# Altium PCB openmv-ae3.PcbDoc (part 7 of 7)
Units mil, origin at the board's own origin, x right, y up, seen from the top; angles counter-clockwise.
Board outline 1001 x 1001 mil, 8 copper layers (TOP, ART2, GND3, ART4, VCC5, GND6, ART7, BOTTOM), stack 65.6 mil thick; 246 components, 168 nets, 1013 pads, 1766 vias.
Unrouted connection lines stored in the file: 233.
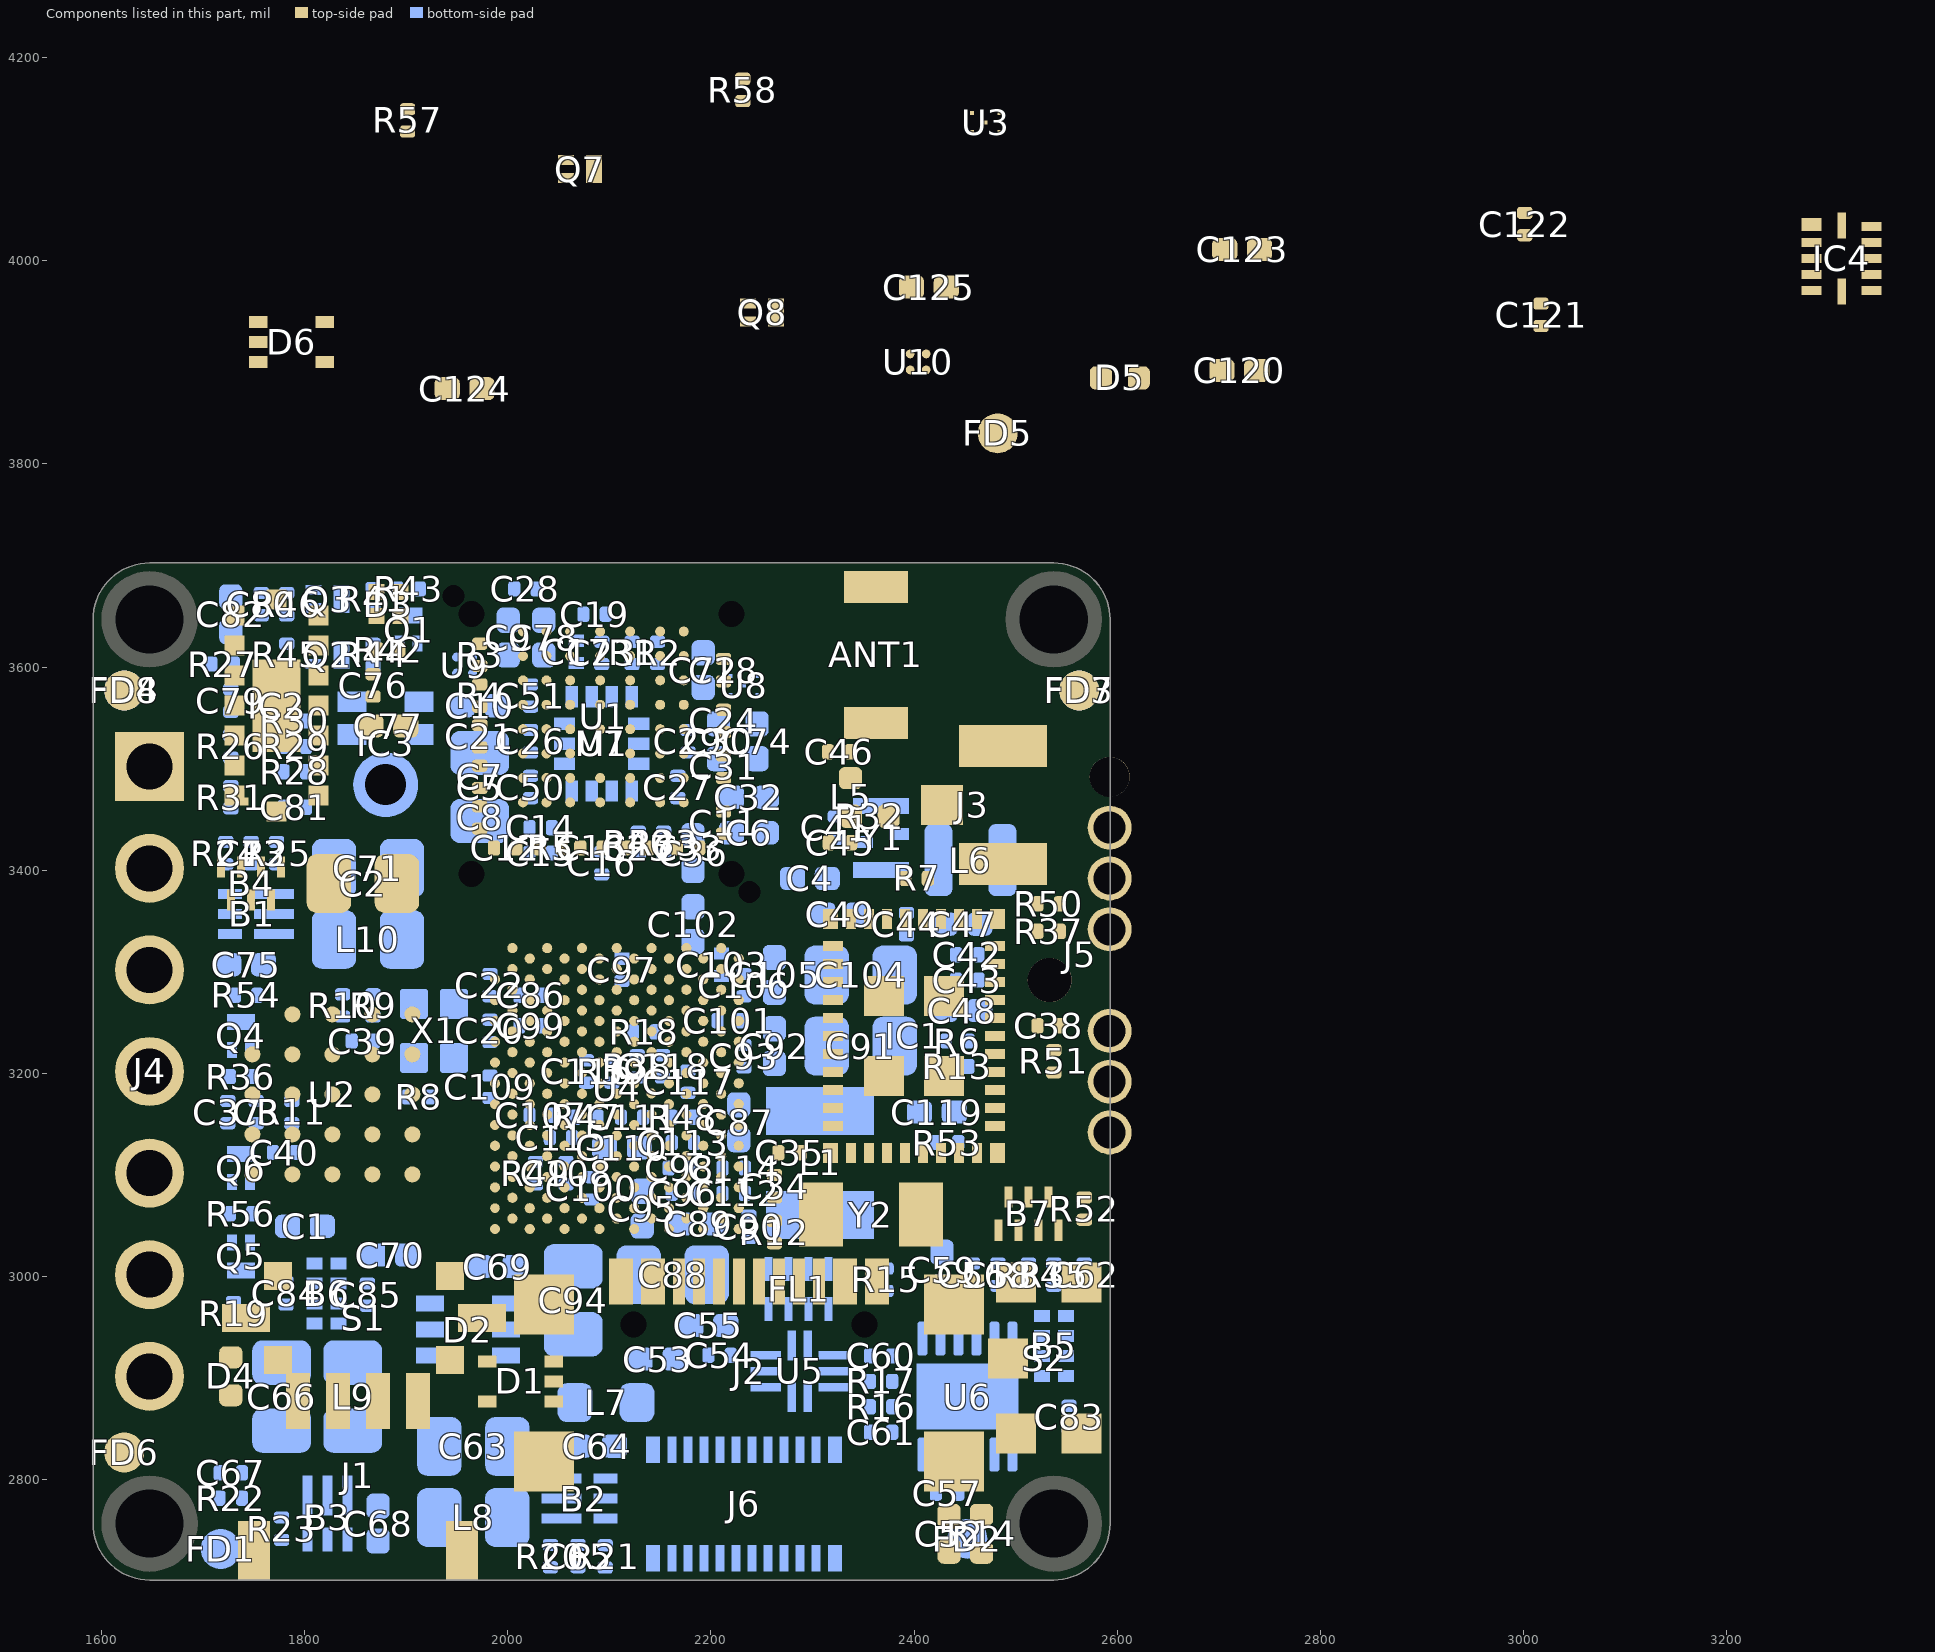
[diagram p13: the components of this part, seen from the top]

## Other copper (continued)
BOTTOM:
  pour cut-out: 1993.43,3272.91 1993.43,3255.91 1979.32,3255.91 1965.32,3241.91 1931.96,3241.91 1920.31,3230.26 1919.1,3231.46 1919.1,3233.57 1931.51,3245.97 1931.51,3252.53 1954.09,3252.53 1960.06,3258.5 1960.06,3267.76 1961.11,3268.81 1987.7,3268.81
  region: 2552.44,3086.91 2572.44,3086.91 2572.44,3111.91 2552.44,3111.91
  pour cut-out: 2239.57,3652.36 2238.11,3659.7 2233.95,3665.92 2227.73,3670.08 2220.39,3671.54 2213.05,3670.08 2206.83,3665.92 2202.67,3659.7 2201.21,3652.36 2202.67,3645.02 2206.83,3638.8 2213.05,3634.64 2220.39,3633.18 2227.73,3634.64 2233.95,3638.8 2238.11,3645.02 2239.57,3652.36
  pour cut-out: 1687.75,2901.91 1686.38,2912.34 1682.35,2922.07 1675.95,2930.42 1667.6,2936.82 1657.87,2940.85 1647.44,2942.22 1637.01,2940.85 1627.28,2936.82 1618.93,2930.42 1612.53,2922.07 1608.5,2912.34 1607.13,2901.91 1608.5,2891.48 1612.53,2881.75 1618.93,2873.4 1627.28,2867 1637.01,2862.97 1647.44,2861.6 1657.87,2862.97 1667.6,2867 1675.95,2873.4 1682.35,2881.75 1686.38,2891.48 1687.75,2901.91
  pour cut-out: 1687.75,3001.91 1686.38,3012.34 1682.35,3022.07 1675.95,3030.42 1667.6,3036.82 1657.87,3040.85 1647.44,3042.22 1637.01,3040.85 1627.28,3036.82 1618.93,3030.42 1612.53,3022.07 1608.5,3012.34 1607.13,3001.91 1608.5,2991.48 1612.53,2981.75 1618.93,2973.4 1627.28,2967 1637.01,2962.97 1647.44,2961.6 1657.87,2962.97 1667.6,2967 1675.95,2973.4 1682.35,2981.75 1686.38,2991.48 1687.75,3001.91
  pour cut-out: 1687.75,3101.91 1686.38,3112.34 1682.35,3122.07 1675.95,3130.42 1667.6,3136.82 1657.87,3140.85 1647.44,3142.22 1637.01,3140.85 1627.28,3136.82 1618.93,3130.42 1612.53,3122.07 1608.5,3112.34 1607.13,3101.91 1608.5,3091.48 1612.53,3081.75 1618.93,3073.4 1627.28,3067 1637.01,3062.97 1647.44,3061.6 1657.87,3062.97 1667.6,3067 1675.95,3073.4 1682.35,3081.75 1686.38,3091.48 1687.75,3101.91
  pour cut-out: 1687.75,3201.91 1686.38,3212.34 1682.35,3222.07 1675.95,3230.42 1667.6,3236.82 1657.87,3240.85 1647.44,3242.22 1637.01,3240.85 1627.28,3236.82 1618.93,3230.42 1612.53,3222.07 1608.5,3212.34 1607.13,3201.91 1608.5,3191.48 1612.53,3181.75 1618.93,3173.4 1627.28,3167 1637.01,3162.97 1647.44,3161.6 1657.87,3162.97 1667.6,3167 1675.95,3173.4 1682.35,3181.75 1686.38,3191.48 1687.75,3201.91
  pour cut-out: 1687.75,3301.91 1686.38,3312.34 1682.35,3322.07 1675.95,3330.42 1667.6,3336.82 1657.87,3340.85 1647.44,3342.22 1637.01,3340.85 1627.28,3336.82 1618.93,3330.42 1612.53,3322.07 1608.5,3312.34 1607.13,3301.91 1608.5,3291.48 1612.53,3281.75 1618.93,3273.4 1627.28,3267 1637.01,3262.97 1647.44,3261.6 1657.87,3262.97 1667.6,3267 1675.95,3273.4 1682.35,3281.75 1686.38,3291.48 1687.75,3301.91
  pour cut-out: 1687.75,3401.91 1686.38,3412.34 1682.35,3422.07 1675.95,3430.42 1667.6,3436.82 1657.87,3440.85 1647.44,3442.22 1637.01,3440.85 1627.28,3436.82 1618.93,3430.42 1612.53,3422.07 1608.5,3412.34 1607.13,3401.91 1608.5,3391.48 1612.53,3381.75 1618.93,3373.4 1627.28,3367 1637.01,3362.97 1647.44,3361.6 1657.87,3362.97 1667.6,3367 1675.95,3373.4 1682.35,3381.75 1686.38,3391.48 1687.75,3401.91
Multi-Layer:
  pour cut-out: 2238.11,3361.92 cw(c2238.11,3378.74) 2221.29,3378.74 cw(c2238.11,3378.74) 2238.11,3395.56 cw(c2238.11,3378.74) 2254.93,3378.74 cw(c2238.11,3378.74)
  pour cut-out: 2220.39,3377.67 cw(c2220.39,3396.46) 2201.6,3396.46 cw(c2220.39,3396.46) 2220.39,3415.25 cw(c2220.39,3396.46) 2239.18,3396.46 cw(c2220.39,3396.46)
  pour cut-out: 1964.49,3377.67 cw(c1964.49,3396.46) 1945.7,3396.46 cw(c1964.49,3396.46) 1964.49,3415.25 cw(c1964.49,3396.46) 1983.28,3396.46 cw(c1964.49,3396.46)
  pour cut-out: 1964.49,3633.57 cw(c1964.49,3652.36) 1945.7,3652.36 cw(c1964.49,3652.36) 1964.49,3671.15 cw(c1964.49,3652.36) 1983.28,3652.36 cw(c1964.49,3652.36)
  pour cut-out: 1946.77,3653.26 cw(c1946.77,3670.08) 1929.95,3670.08 cw(c1946.77,3670.08) 1946.77,3686.9 cw(c1946.77,3670.08) 1963.59,3670.08 cw(c1946.77,3670.08)
  pour cut-out: 2220.39,3633.57 cw(c2220.39,3652.36) 2201.6,3652.36 cw(c2220.39,3652.36) 2220.39,3671.15 cw(c2220.39,3652.36) 2239.18,3652.36 cw(c2220.39,3652.36)
  pour cut-out: 2533.38,3262.21 cw(c2533.38,3291.91) 2503.68,3291.91 cw(c2533.38,3291.91) 2533.38,3321.61 cw(c2533.38,3291.91) 2563.08,3291.91 cw(c2533.38,3291.91)
  pour cut-out: 2351.22,2934.26 cw(c2351.22,2953.05) 2332.43,2953.05 cw(c2351.22,2953.05) 2351.22,2971.84 cw(c2351.22,2953.05) 2370.01,2953.05 cw(c2351.22,2953.05)
  pour cut-out: 2347.44,3516.91 2437.44,3516.91 2442.44,3521.91 2442.44,3551.91 2452.44,3561.91 2602.44,3561.91 2612.44,3571.91 2612.44,3771.91 2607.44,3776.91 2317.44,3776.91 2272.44,3731.91 2272.44,3556.91 2302.44,3526.91 2337.44,3526.91 2347.44,3516.91

## Silkscreen, mask and mechanical layers (free items; w line width, h text height)
Top Overlay:
  lines w8: 1713.44,3456.91 1733.44,3436.91
  text "OpenMV" at 2032.44,3676.91 h16.32
  text "Cam" at 2142.44,3676.91 h16.32
  text "AE3" at 2542.44,3106.91 h16.32 r90
  text "R" at 1742.44,2986.91 h16.32 r90
  text "USR" at 2457.44,2856.91 h16.32 r90
  text "QW" at 1994.44,2752.91 h16.32
  text "IIC" at 1985.65,2713.68 h16.32
Bottom Overlay:
  lines w5: 1882.44,2921.91 1882.44,2936.91 ; 2477.44,3191.91 2477.44,3364.91 ; 2512.44,2856.91 2527.44,2856.91
  text "Z+ Back" at 2447.44,3661.91 h16.32
  text "X+" at 2132.44,3636.91 h16.32
  text "Z- Front" at 2447.44,3611.91 h16.32
  text "GND" at 1697.44,3571.91 h16.32
  text "Y-" at 1997.44,3571.91 h16.32 r270
  text "Y+" at 2165.67,3544.23 h16.32 r270
  text "ECV3-06-CTX" at 2522.44,3521.91 h16.32
  text "Rev 1" at 2497.44,3471.91 h16.32
  text "3V3" at 1742.44,3446.91 h16.32 r270
  text "X-" at 2112.44,3436.91 h16.32
  text "ARM-SWD" at 2557.44,3411.91 h16.32 r90
  text "P3" at 1772.44,3261.91 h16.32 r270
  text "openmv.io" at 2175,3262 h16.32
  text "P2" at 1782.44,3191.91 h16.32 r270
  text "OpenMV" at 2002.44,3136.91 h16.32
  text "P1" at 1772.44,3106.91 h16.32 r270
  text "P0" at 1772.44,3011.91 h16.32 r270
  text "RST" at 1717.44,2871.91 h16.32 r270
Mechanical 1:
  lines w1: 1972.44,3031.91 1997.44,3006.91 2217.44,3006.91 2242.44,3031.91 2242.44,3336.91 1972.44,3336.91 1972.44,3031.91
DIMENSION:
  lines w1: 1592.44,2701.91 1592.44,2701.94 ; 2592.44,3701.91 2592.44,3701.94 ; 2301.22,3704.08 2351.22,3703.92 ; 2301.22,3704.08 2325.76,3554 ; 2301.22,3704.08 2351.22,3703.92 ; 2301.22,3704.08 2325.76,3554 ; 2325.76,3554 2351.22,3703.92 ; 2325.76,3554 2327.44,4106.91 2325.76,3554 ; 2325.76,3554 2351.22,3703.92 ; 2592.44,2701.91 2592.44,2701.94 2592.44,2701.91
  lines w10: 1592.44,2426.91 1592.44,2691.91 ; 1652.44,2416.91 1592.44,2436.91 ; 1652.44,2456.91 1592.44,2436.91 ; 2014.26,2436.91 1592.44,2436.91 ; 2170.62,2436.91 2592.44,2436.91 ; 2532.44,2416.91 2592.44,2436.91 ; 2532.44,2456.91 2592.44,2436.91 ; 2592.44,2426.91 2592.44,2691.91 ; 2602.44,2701.91 2867.44,2701.91 ; 2602.44,3701.91 2867.44,3701.91 ; 2837.44,2761.91 2857.44,2701.91 ; 2837.44,3641.91 2857.44,3701.91 ; 2857.44,3123.73 2857.44,2701.91 ; 2857.44,3280.09 2857.44,3701.91 ; 2877.44,2761.91 2857.44,2701.91 ; 2877.44,3641.91 2857.44,3701.91
  text "THIS AREA TRACE WIDTH IS 12MILS REFERENCED GND03 LAYER GND. IMPEDENCE IS 50 OHM." at 1222.44,4161.91 h50
  text "25.40" at 2879.94,3133.73 h36 r90
  text "25.40" at 2024.26,2414.41 h36

## Text inside footprints (layer, text, board x,y; h text height)
ANT1: PIN_NUMBER "2" at 2352.44,3678.84 h25 r90; PIN_NUMBER "1" at 2352.44,3544.98 h25 r90
J3: PIN_NUMBER "3" at 2477.44,3406.34 h25 r270; PIN_NUMBER "2" at 2477.44,3522.48 h25 r270; PIN_NUMBER "1" at 2417.4,3464.41 h25 r270
L1: PIN_NUMBER "2" at 2297.44,3163.09 h25 r270; PIN_NUMBER "1" at 2297.44,3060.73 h25 r270